# Altium PCB Board.PcbDoc (part 3 of 8)
Units mil, origin at the board's own origin, x right, y up, seen from the top; angles counter-clockwise.
Board outline 2740.16 x 1181.1 mil, 6 copper layers (Top Layer, Int1 (GND), Int2 (Sign), Int3 (Sign), Int4 (PWR), Bottom Layer), stack 60.567 mil thick; 167 components, 261 nets, 1353 pads, 681 vias.
Unrouted connection lines stored in the file: 23.
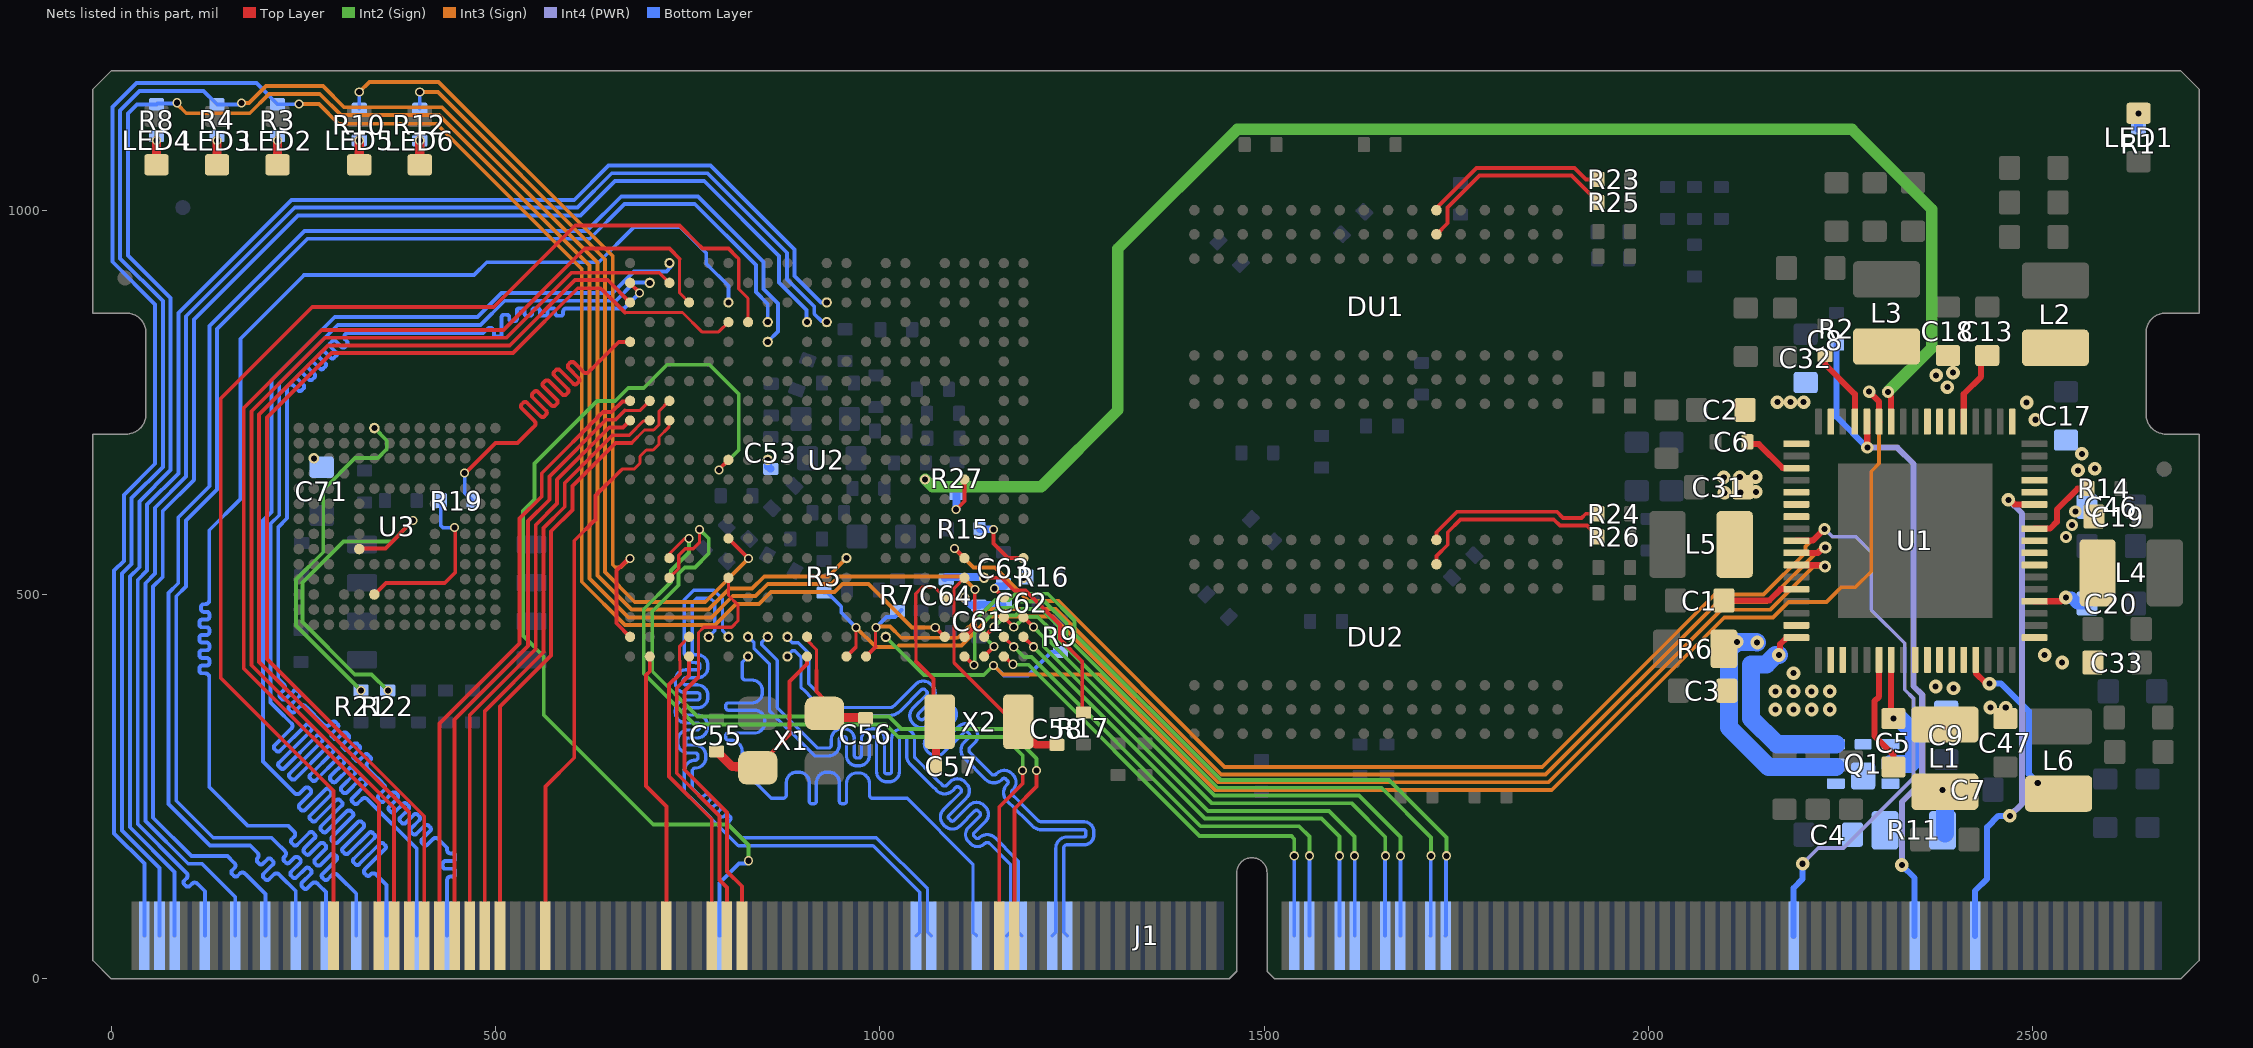
[diagram p7: the nets of this part, all layers, seen from the top]

## Via types
v1: diameter 11.81, hole 7.87, Top Layer to Bottom Layer, tented both sides, 510 vias
v2: diameter 17.72, hole 7.87, Top Layer to Bottom Layer, tented both sides, 112 vias
v3: diameter 15.75, hole 7.87, Top Layer to Bottom Layer, tented both sides, 43 vias
v4: diameter 31.5, hole 11.81, Top Layer to Bottom Layer, 16 vias

## Nets (pads, with @x,y where several pads share a name; then routed paths per layer and width w, separated by ;. In a path a pad name is that pad's centre, name@x,y a point inside that pad or via, vN(x,y) a via of type N, cw(c..) or ccw(c..) an arc to the next point about the centre after c; other vN are vias at no path point) (continued)
HDMI_TX0_P: J1.112 U2.G1 | length 943.1
  Bottom Layer w4.29: v1@828.74,418.72 v1(828.74,419.29) 821.09,411.64 821.09,400.27 821.09,392.97 ccw(c825.38,392.97) 825.38,388.68 833.75,388.68 cw(c833.75,375.14) 847.29,375.14 847.29,372.36 cw(c833.75,372.36) 833.75,358.81 802.89,358.81 ccw(c802.89,355.56) 799.64,355.56 799.64,352.78 ccw(c802.89,352.78) 802.89,349.52 836.87,349.52 cw(c836.87,335.98) 850.42,335.98 850.42,333.2 cw(c836.87,333.2) 836.87,319.65 802.89,319.65 ccw(c802.89,316.4) 799.64,316.4 799.64,313.62 ccw(c802.89,313.62) 802.89,310.36 806.51,310.36 cw(c806.51,295.78) 821.09,295.78 821.09,272.2 858.59,234.7 866.87,234.7 874.16,234.7 ccw(c874.16,238.99) 878.45,238.99 878.45,255.26 cw(c891.99,255.26) 891.99,268.8 894.78,268.8 cw(c894.78,255.26) 908.32,255.26 908.32,231.04 ccw(c911.57,231.04) 911.57,227.79 914.36,227.79 ccw(c914.36,231.04) 917.61,231.04 917.61,255.26 cw(c931.15,255.26) 931.15,268.8 933.94,268.8 cw(c933.94,255.26) 947.48,255.26 947.48,231.04 ccw(c950.73,231.04) 950.73,227.79 953.52,227.79 ccw(c953.52,231.04) 956.77,231.04 956.77,254.22 cw(c970.31,254.22) 970.31,267.76 973.1,267.76 cw(c973.1,254.22) 986.64,254.22 986.64,238.99 ccw(c990.93,238.99) 990.93,234.7 1031.9,234.7 1035.76,234.7 1121.29,149.17 1121.29,60.68 J1.112@1125.98,55.98
HDMI_TX1_N: J1.116 U2.G2 | length 942.5
  Bottom Layer w4.29: v1(828.74,444.88) 829.42,444.88 836.39,437.91 836.39,430.1 856.58,409.91 856.58,348.57 915.3,289.84 925.52,289.84 932.81,289.84 ccw(c932.81,304.42) 947.39,304.42 947.39,311.67 cw(c950.64,311.67) 950.64,314.92 953.43,314.92 cw(c953.43,311.67) 956.68,311.67 956.68,290.59 ccw(c970.22,290.59) 970.22,277.05 973.01,277.05 ccw(c973.01,290.59) 986.55,290.59 986.55,311.67 cw(c989.8,311.67) 989.8,314.92 992.59,314.92 cw(c992.59,311.67) 995.84,311.67 995.84,269.82 ccw(c1009.38,269.82) 1009.38,256.28 1012.17,256.28 ccw(c1012.17,269.82) 1025.71,269.82 1025.71,311.67 cw(c1028.96,311.67) 1028.96,314.92 1031.75,314.92 cw(c1031.75,311.67) 1035,311.67 1035,289.94 ccw(c1049.58,289.94) 1039.29,279.61 1068.39,250.5 1068.97,249.93 1072.62,246.28 1074.1,244.79 ccw(c1084.43,255.08) 1094.74,244.77 1098.89,248.92 cw(c1101.17,246.61) 1103.49,248.89 1105.41,246.96 ; 1105.43,246.95 cw(c1103.14,244.64) 1105.44,242.34 1082.95,219.84 ccw(c1092.5,210.24) 1082.93,200.67 1084.9,198.7 ccw(c1094.47,208.27) 1104.05,198.7 1123.64,218.3 cw(c1125.94,216) 1128.25,218.28 1130.18,216.35 cw(c1127.91,214.03) 1130.21,211.73 1115.66,197.17 ccw(c1125.23,187.6) 1115.66,178.02 1117.63,176.05 ccw(c1127.2,185.63) 1136.78,176.05 cw(c1139.81,173.02) 1142.85,176.05 1169.34,149.56 1170.05,148.85 1170.05,142.97 1170.05,60.68 J1.116@1165.35,55.98
HDMI_TX1_P: J1.118 U2.H2 | length 942.4
  Bottom Layer w4.29: v1(854.33,444.88) 853.65,444.88 846.68,437.91 846.68,434.36 866.87,414.17 866.87,352.83 919.56,300.13 925.52,300.13 932.81,300.13 ccw(c932.81,304.42) 937.1,304.42 937.1,311.67 cw(c950.64,311.67) 950.64,325.21 953.43,325.21 cw(c953.43,311.67) 966.97,311.67 966.97,290.59 ccw(c970.22,290.59) 970.22,287.34 973.01,287.34 ccw(c973.01,290.59) 976.26,290.59 976.26,311.67 cw(c989.8,311.67) 989.8,325.21 992.59,325.21 cw(c992.59,311.67) 1006.13,311.67 1006.13,269.82 ccw(c1009.38,269.82) 1009.38,266.57 1012.17,266.57 ccw(c1012.17,269.82) 1015.42,269.82 1015.42,311.67 cw(c1028.96,311.67) 1028.96,325.21 1031.75,325.21 cw(c1031.75,311.67) 1045.29,311.67 1045.29,289.94 ccw(c1049.58,289.94) 1046.55,286.9 1068.39,265.06 1076.24,257.21 1079.89,253.56 1081.4,252.05 ccw(c1084.43,255.08) 1087.47,252.05 1091.58,256.16 cw(c1101.17,246.61) 1108.96,257.69 1109.24,257.69 1114.23,252.7 1114.23,252.42 cw(c1103.14,244.64) 1112.72,235.06 1090.19,212.53 ccw(c1092.5,210.24) 1090.2,207.95 1092.17,205.97 ccw(c1094.47,208.27) 1096.77,205.97 1116.37,225.57 cw(c1125.94,216) 1133.73,227.08 1134.01,227.08 1139,222.09 1139,221.81 cw(c1127.91,214.03) 1137.49,204.45 1122.93,189.89 ccw(c1125.23,187.6) 1122.93,185.3 1124.9,183.33 ccw(c1127.2,185.63) 1129.5,183.33 cw(c1139.81,173.02) 1150.12,183.33 1176.62,156.83 1180.26,153.19 1180.34,153.11 1180.34,60.68 J1.118@1185.04,55.98
HDMI_TX2_N: J1.124 U2.J2 | length 942.4
  Bottom Layer w4.29: v1(879.92,444.88) 879.92,443.48 886.17,437.23 893.98,437.23 907.79,423.42 907.79,383.55 938.53,352.81 1007.49,352.81 1012.62,352.81 ccw(c1012.66,362) 1019.15,355.49 1047.03,383.38 cw(c1056.61,373.81) 1066.18,383.38 1068.16,381.41 cw(c1058.58,371.83) 1069.66,364.05 1069.66,363.77 1050.38,344.48 ccw(c1052.68,342.18) 1050.38,339.88 1052.35,337.91 ccw(c1054.65,340.21) 1056.95,337.91 1074.72,355.69 cw(c1084.3,346.11) 1093.88,355.69 1095.85,353.72 cw(c1086.27,344.14) 1097.35,336.36 1097.35,336.08 1069.3,308.02 ccw(c1071.6,305.73) 1069.3,303.43 1071.28,301.45 ccw(c1073.57,303.75) 1075.87,301.46 ; 1075.89,301.48 1102.42,328 cw(c1111.99,318.42) 1121.57,328 1123.54,326.03 cw(c1113.96,316.45) 1125.04,308.67 1125.04,308.39 1117.29,300.64 ccw(c1120.33,297.6) 1117.29,294.57 1145.49,266.38 ccw(c1148.52,269.41) 1151.55,266.38 1152.31,267.14 cw(c1161.89,257.56) 1171.46,267.14 1173.43,265.16 cw(c1163.86,255.59) 1174.94,247.81 1174.94,247.52 1172.68,245.26 ccw(c1175.71,242.22) 1172.67,239.19 1179.3,232.56 1183.49,228.38 1187.14,224.73 1201.86,210 1205.53,206.34 ccw(c1210.89,211.72) 1210.89,204.12 1265.94,204.12 cw(c1265.94,191.51) 1278.55,191.51 1278.55,186.86 cw(c1265.94,186.86) 1265.94,174.25 1243.69,174.25 ccw(c1243.69,169.96) 1239.4,169.96 1239.4,115.38 1239.4,60.68 J1.124@1244.09,55.98
HDMI_TX2_P: J1.122 U2.J1 | length 942.5
  Bottom Layer w4.29: v1(879.92,419.29) 879.92,420.69 886.17,426.94 889.72,426.94 897.5,419.16 897.5,379.29 903,373.79 911.08,365.71 cw(c908.05,362.67) 911.08,359.64 908.31,356.87 ccw(c910.61,354.57) 908.31,352.27 910.28,350.3 ccw(c912.58,352.6) 914.88,350.3 917.65,353.07 cw(c920.68,350.04) 923.72,353.07 932.47,344.32 934.27,342.52 997.2,342.52 1012.62,342.52 ccw(c1012.66,362) 1026.42,348.21 1054.31,376.1 cw(c1056.61,373.81) 1058.91,376.1 1060.88,374.13 cw(c1058.58,371.83) 1060.88,369.54 ; 1060.86,369.51 1043.1,351.76 ccw(c1052.68,342.18) 1043.1,332.61 1045.05,330.66 ccw(c1054.65,340.21) 1062.43,329.13 1062.72,329.13 1082,348.41 cw(c1084.3,346.11) 1086.6,348.41 1088.57,346.44 cw(c1086.27,344.14) 1088.57,341.85 1062.03,315.3 ccw(c1071.6,305.73) 1062.05,296.12 1063.97,294.21 ccw(c1073.57,303.75) 1081.35,292.67 1081.64,292.67 1109.69,320.72 cw(c1111.99,318.42) 1114.29,320.72 1116.26,318.75 cw(c1113.96,316.45) 1116.26,314.15 1110.02,307.91 ccw(c1120.33,297.6) 1110.04,287.28 1138.19,259.12 ccw(c1148.52,269.41) 1158.83,259.1 1159.59,259.86 cw(c1161.89,257.56) 1164.19,259.86 1166.16,257.89 cw(c1163.86,255.59) 1166.16,253.29 1165.4,252.53 ccw(c1175.71,242.22) 1165.41,231.91 1176.21,221.1 1179.86,217.45 1187.31,210 1198.23,199.08 ccw(c1210.89,211.72) 1210.89,193.83 1265.94,193.83 cw(c1265.94,191.51) 1268.26,191.51 1268.26,186.86 cw(c1265.94,186.86) 1265.94,184.54 1243.69,184.54 ccw(c1243.69,169.96) 1229.11,169.96 1229.11,115.38 1229.11,60.68 J1.122@1224.41,55.98
HDMI_TXC_N: J1.106 U2.E2 | length 944.2
  Bottom Layer w4.29: v1(777.56,444.88) 785.21,452.53 785.21,489.66 779.71,495.16 762.05,495.16 755.91,489.02 755.91,433.07 755.91,425.78 ccw(c760.2,425.78) 760.2,421.49 762.84,421.49 cw(c762.84,407.95) 776.38,407.95 776.38,405.16 cw(c762.84,405.16) 762.84,391.62 747.65,391.62 ccw(c747.65,388.37) 744.39,388.37 744.39,385.58 ccw(c747.65,385.58) 747.65,382.33 762.84,382.33 cw(c762.84,368.79) 776.38,368.79 776.38,366 cw(c762.84,366) 762.84,352.46 747.65,352.46 ccw(c747.65,349.21) 744.39,349.21 744.39,346.42 ccw(c747.65,346.42) 747.65,343.17 762.38,343.17 cw(c762.38,329.63) 775.92,329.63 775.92,326.84 cw(c762.38,326.84) 762.38,313.3 750.76,313.3 ccw(c750.76,310.05) 747.51,310.05 747.51,307.26 ccw(c750.76,307.26) 750.76,304.01 760.2,304.01 cw(c760.2,290.47) 773.74,290.47 773.74,287.68 cw(c760.2,287.68) 760.2,274.14 ccw(c760.2,269.85) 755.91,269.85 755.91,248.03 764.13,239.8 765.65,238.29 ccw(c768.69,241.32) 771.72,238.29 772.69,239.25 cw(c774.99,236.95) 777.29,239.25 779.26,237.28 cw(c776.96,234.98) 779.26,232.69 777.55,230.98 ccw(c779.85,228.68) 777.55,226.38 779.52,224.41 ccw(c781.82,226.71) 784.12,224.41 785.83,226.12 cw(c788.12,223.82) 790.42,226.12 792.39,224.15 cw(c790.1,221.85) 792.39,219.55 790.69,217.84 ccw(c792.99,215.54) 790.69,213.25 792.66,211.27 ccw(c794.96,213.57) 797.26,211.27 798.96,212.98 cw(c801.26,210.68) 803.56,212.98 805.53,211.01 cw(c803.23,208.71) 805.53,206.41 804.56,205.44 ccw(c807.6,202.41) 804.56,199.37 811.42,192.51 820.42,183.52 995.55,183.52 1062.23,116.83 1062.23,60.68 J1.106@1066.93,55.98
HDMI_TXC_P: J1.104 U2.F2 | length 942.5
  Bottom Layer w4.29: v1(803.15,444.88) 795.5,452.53 795.5,493.92 783.97,505.45 757.78,505.45 745.62,493.28 745.62,433.07 745.62,425.78 ccw(c760.2,425.78) 760.2,411.2 762.84,411.2 cw(c762.84,407.95) 766.09,407.95 766.09,405.16 cw(c762.84,405.16) 762.84,401.91 747.65,401.91 ccw(c747.65,388.37) 734.1,388.37 734.1,385.58 ccw(c747.65,385.58) 747.65,372.04 762.84,372.04 cw(c762.84,368.79) 766.09,368.79 766.09,366 cw(c762.84,366) 762.84,362.75 747.65,362.75 ccw(c747.65,349.21) 734.1,349.21 734.1,346.42 ccw(c747.65,346.42) 747.65,332.88 762.38,332.88 cw(c762.38,329.63) 765.63,329.63 765.63,326.84 cw(c762.38,326.84) 762.38,323.59 750.76,323.59 ccw(c750.76,310.05) 737.22,310.05 737.22,307.26 ccw(c750.76,307.26) 750.76,293.72 760.2,293.72 cw(c760.2,290.47) 763.45,290.47 763.45,287.68 cw(c760.2,287.68) 760.2,284.43 ccw(c760.2,269.85) 745.62,269.85 745.62,248.03 745.62,243.77 816.16,173.23 991.29,173.23 1051.94,112.57 1051.94,60.68 J1.104@1047.24,55.98
I2C0_SCL: J1.78 U2.F11 | length 1282.7
  Top Layer w5: v1(790.65,662.12) 790.65,662.41 803.15,674.91 U2.F11@803.15,675.2
  Int2 (Sign) w5: v1(790.65,662.12) 816.56,688.03 816.56,760.7 778.47,798.78 723.09,798.78 692.91,768.6 672.82,768.6 655.95,751.73 632.18,751.73 550.87,670.42 550.87,623.75 535.67,608.56 535.67,446.56 562.91,419.32 562.91,343.22 705.35,200.79 802.53,200.79 829.47,173.84 v1(829.47,153.54)
  Bottom Layer w5.1: J1.78@791.34,55.98 791.34,124.52 817.01,150.19 826.12,150.19 v1(829.47,153.54)
I2C0_SDA: J1.55 U2.C13 | length 751.8
  Top Layer w4: 663.24,661.63 664.61,663 680.25,663 688,670.76 688,679.65 696.34,687.99 705.23,687.99 712.98,695.74 712.98,704.77 712.81,704.94 725.6,717.73 U2.C13@725.6,725.6
  Top Layer w5: J1.55@564.96,55.98 564.96,250 602.5,287.54 602.5,569.84 630.24,597.57 630.24,628.63 663.24,661.63 ; U2.C13@725.6,725.6 U2.C13@726.38,726.38
I2S0_CLK: J1.43 U2.B14 | length 819.9
  Top Layer w4: 668.29,739.16 687.98,739.16 U2.B14@700.79,751.97
  Top Layer w5: J1.43@446.85,55.98 446.85,337.43 542.5,433.09 542.5,595.56 570.24,623.3 570.24,653.48 643.98,727.22 656.36,727.22 668.29,739.16
I2S0_DIN: J1.41 U2.A14 | length 810.8
  Top Layer w5: J1.41@427.17,55.98 427.17,331.89 531.5,436.22 531.5,598.7 560.24,627.44 560.24,657.62 639.84,737.22 651.4,737.22 665.37,751.19 674.42,751.19 U2.A14@675.2,751.97
I2S0_DOUT: J1.45 U2.A13 | length 767.3
  Top Layer w5: J1.45@466.54,55.98 466.54,342.98 552.5,428.95 552.5,590.55 580.24,618.28 580.24,649.34 648.12,717.22 666.04,717.22 U2.A13@675.2,726.38
I2S0_SYNC: J1.47 U2.B13 | length 775.4
  Top Layer w4: 674.11,707.22 692.49,725.6 U2.B13@700.01,725.6
  Top Layer w5: J1.47@486.22,55.98 486.22,348.52 562.5,424.8 562.5,586.41 590.24,614.14 590.24,645.2 652.26,707.22 674.11,707.22
IPSOUT: C9.2 C17.1 C18.1 C19.1 C31.1 C32.1 C33.1 C46.1 C47.1 Q1.4 Q1.7 U1.1 U1.9 U1.13 U1.18 U1.23 U1.33 U1.39 U1.53 U1.54 U1.62 U1.63 U1.64
  other v2: 2165.35,350.39 2188.98,350.39 2212.6,350.39 2236.22,350.39 2444.99,352.99 2465.09,352.8 2165.35,374.02 2188.98,374.02 2212.6,374.02 2236.22,374.02 2397.12,377.99 2373.76,380.27 2188.98,397.64 2538.51,411.5 2515.75,421.26 2099.08,632.26 2119.71,632.84 2139.86,633.39 2098.18,652.26 2118.98,652.62 2139.67,652.8 2559.06,661.42 2580.98,663.72 2564.04,683 2503.53,727.3 2167.82,750.22 2184.94,750.22 2202.05,750.22 2492.14,749.7 2389.1,769.65 2374.52,785.03 2396.38,788.67
  other v3: 2543.31,574.8 2551.18,590.55 2555.54,607.97
JTAG_CK: J1.35 U2.C20 | length 1383.1
  Top Layer w4: 665.37,918.55 713.34,918.55 U2.C20@726.38,905.51
  Top Layer w5: J1.35@368.11,55.98 368.11,222.44 182.6,407.95 182.6,738.44 278.23,834.07 514.45,834.07 581.15,900.77 598.93,918.55 665.37,918.55
JTAG_DI: J1.37 U2.A19 | length 1326.1
  Top Layer w5: J1.37@387.8,55.98 387.8,216.9 192.6,412.09 192.6,734.3 282.37,824.07 518.59,824.07 603.44,908.92 646.2,908.92 U2.A19@675.2,879.92
JTAG_DO: J1.39 U2.F18 | length 1458.1
  Top Layer w4: 668.38,866.91 743.32,866.91 768.58,841.66 790.48,841.66 U2.F18@803.15,854.33
  Top Layer w5: J1.39@407.48,55.98 407.48,211.36 202.6,416.24 202.6,730.16 286.51,814.07 522.73,814.07 607.1,898.44 636.86,898.44 668.38,866.91
JTAG_MS: J1.33 U2.D19 | length 1479.8
  Top Layer w4: 739.78,936.66 739.78,892.11 U2.D19@751.97,879.92
  Top Layer w5: J1.33@348.43,55.98 348.43,227.98 172.6,403.81 172.6,742.58 274.08,844.07 510.3,844.07 616.24,950 726.44,950 739.78,936.66
LED_DISK: J1.4 R4.2 U2.M6 | length 2660
  Int3 (Sign) w5.1: v1(169.71,1139.58) 179.58,1139.58 201.42,1161.42 275.59,1161.42 303.15,1133.86 430.67,1133.86 632.57,931.96 632.57,524.91 677.17,480.31 777.09,480.31 804.65,507.87 833.99,507.87 849.74,523.62 933.07,523.62 v1(956.69,547.24)
  Bottom Layer w5.1: J1.4@62.99,55.98 62.99,144.33 14.42,192.9 14.42,527.34 26.7,539.61 26.7,625.31 67.26,665.88 67.26,881.56 11.81,937.01 11.81,1129.92 37.14,1155.25 120.34,1155.25 R4.2@137.79,1137.8 138.24,1137.35 165.67,1137.35 167.89,1139.58 v1(169.71,1139.58)
LED_ERR: J1.6 R8.2 U2.V2 | length 2880.9
  Top Layer w4: 1123.72,458.37 1123.72,465.33 1123.63,465.42 1123.63,506.45 v1@1123.72,506.54
  Top Layer w5.1: U2.V2@1110.24,444.88 1123.72,458.37 ; v1@1123.72,506.54 v1(1123.9,506.72)
  Int3 (Sign) w5.1: v1(85.92,1139.75) 85.92,1137.94 97.73,1126.12 180.4,1126.12 205.6,1151.32 271.41,1151.32 298.97,1123.76 426.49,1123.76 622.47,927.78 622.47,520.73 672.98,470.21 781.27,470.21 808.83,497.77 838.58,497.77 854.33,513.52 937.25,513.52 947.35,523.62 1106.99,523.62 v1(1123.9,506.72)
  Bottom Layer w5.1: J1.6@82.68,55.98 82.68,138.93 24.52,197.08 24.52,523.15 36.8,535.43 36.8,621.13 77.36,661.69 77.36,885.74 21.91,941.19 21.91,1125.74 33.86,1137.69 59.06,1137.69 60.14,1138.77 84.94,1138.77 v1(85.92,1139.75)
LED_ID: J1.2 R3.2 U2.U2 | length 2816.5
  Top Layer w5.1: v1(1072.26,457.14) 1072.32,457.14 1084.58,444.88 U2.U2@1084.65,444.88
  Int3 (Sign) w5.1: v1(244.4,1137.86) 270.58,1137.86 295.97,1112.47 423.49,1112.47 612.37,923.59 612.37,516.55 668.8,460.11 785.46,460.11 813.02,487.67 842.77,487.67 858.51,503.42 941.44,503.42 951.54,513.52 985.51,513.52 1041.89,457.14 v1(1072.26,457.14)
  Bottom Layer w5.1: J1.2@43.31,55.98 43.31,149.73 3.94,189.1 3.94,531.13 16.6,543.79 16.6,629.49 57.16,670.06 57.16,877.37 1.71,932.82 1.71,1134.1 32.96,1165.35 188.98,1165.35 R3.2@216.53,1137.8 ; R3.2@216.53,1137.8 v1@244.37,1137.83
LED_LINK: R10.1 U2.A2 | length 998.5
  Top Layer w5: v1(674.89,546.89) 673.05,546.89 657.48,531.32 657.48,462.6 U2.A2@675.2,444.88
  Int3 (Sign) w5: v1(322.83,1153.54) 336.24,1166.95 425.93,1166.95 652.62,940.27 652.62,538.69 655.87,535.43 663.43,535.43 v1(674.89,546.89)
  Bottom Layer w5: R10.1@322.83,1131.89 v1(322.83,1153.54)
LED_SPD: R12.1 U2.F7 | length 1022.9
  Top Layer w5: U2.F7@803.2,572.83 v1@829.27,546.76
  Int3 (Sign) w5: v1(401.57,1153.54) 425.2,1153.54 642.62,936.12 642.62,529.08 681.33,490.36 772.93,490.36 v1(829.32,546.76)
  Bottom Layer w5: R12.1@401.57,1131.89 v1(401.57,1153.54)
LINEIN_L: J1.166 U2.V1 | length 973
  Top Layer w5: U2.V1@1110.24,419.29 1110.95,419.29 1122.13,408.12 v1(1122.84,408.12)
  Int2 (Sign) w5: v1(1122.84,408.12) 1123.74,409.01 1123.74,465.87 1150.52,492.66 1168.3,492.66 1176.56,500.91 1218.68,500.91 1253.36,466.23 1253.36,448.95 1443.87,258.44 1662.66,258.44 1737.36,183.74 v1(1737.36,160)
  Bottom Layer w5: J1.166@1736.22,55.98 1736.79,56.56 v1@1736.79,160
LINEIN_R: J1.164 U2.W1 | length 913.9
  Top Layer w5: U2.W1@1135.83,419.29 v1(1148.79,432.24)
  Int2 (Sign) w5: v1(1148.79,432.24) 1135.39,445.65 1135.39,463.39 1154.66,482.66 1172.45,482.66 1180.7,490.91 1214.54,490.91 1243.36,462.08 1243.36,444.81 1439.73,248.44 1652.97,248.44 1717.47,183.95 v1(1717.47,160)
  Bottom Layer w5: J1.164@1716.54,55.98 1717,56.45 v1@1717,160
LINEOUT_L: J1.154 U2.AA3 | length 685.2
  Top Layer w5: U2.AA3@1187.01,470.47 v1(1199.96,457.5)
  Int2 (Sign) w5: v1(1199.96,457.5) 1213.36,444.1 1213.36,432.3 1427.22,218.44 1584.55,218.44 1617.9,185.09 v1(1617.9,160)
  Bottom Layer w5: v1@1618.01,160 1618.01,56.09 J1.154@1618.11,55.98
LINEOUT_R: J1.158 U2.Y3 | length 764.2
  Top Layer w5: U2.Y3@1161.42,470.47 v1(1174.37,457.5)
  Int2 (Sign) w5: v1(1174.37,457.5) 1175.58,457.5 1188.98,470.91 1205.51,470.91 1223.36,453.06 1223.36,436.53 1431.45,228.44 1613.92,228.44 1657.79,184.57 v1(1657.79,160)
  Bottom Layer w5: J1.158@1657.48,55.98 1657.64,56.14 v1@1657.64,160
MICIN1_N: J1.146 U2.Y1 | length 602.2
  Top Layer w5: U2.Y1@1161.42,419.28 1162.34,419.28 1172.41,409.22 v1(1173.32,409.22)
  Int2 (Sign) w5: v1(1173.32,409.22) 1174.03,408.51 1193.39,408.51 1416.15,185.75 1535.61,185.75 1539.37,181.98 v1(1539.37,160)
  Bottom Layer w5: J1.146@1539.37,55.98 v1(1539.37,160)
MICIN1_P: J1.160 U2.W2 | length 818.2
  Top Layer w5: U2.W2@1135.83,444.88 v1(1148.79,457.83)
  Int2 (Sign) w5: v1(1148.79,457.83) 1163.62,472.66 1176.59,472.66 1184.84,480.91 1210.4,480.91 1233.36,457.94 1233.36,440.67 1435.59,238.44 1623.6,238.44 1677.68,184.36 v1(1677.68,160)
  Bottom Layer w5: J1.160@1677.17,55.98 1677.43,56.24 v1@1677.43,160
MICIN2_N: J1.152 U2.AA2 | length 648.1
  Top Layer w5: U2.AA2@1187.01,444.88 v1(1199.96,431.91)
  Int2 (Sign) w5: v1(1199.96,431.91) 1199.96,431.57 1423.08,208.44 1574.86,208.44 1598.01,185.29 v1(1598.01,160)
  Bottom Layer w5: v1@1598.22,160 1598.22,56.19 J1.152@1598.43,55.98
MICIN2_P: J1.148 U2.Y2 | length 634.3
  Top Layer w5: U2.Y2@1161.42,444.88 v1(1174.37,431.91)
  Int2 (Sign) w5: v1(1174.37,431.91) 1187.77,418.51 1197.54,418.51 1417.6,198.44 1545.65,198.44 1559.06,185.04 v1(1559.06,160)
  Bottom Layer w5: J1.148@1559.06,55.98 v1(1559.06,160)
NetC1_1: C1.1 U1.47 | length 100.2
  Top Layer w7.87: C1.1@2098.43,492.13 2157.48,492.13 2172.24,506.89 U1.47@2192.52,506.89
NetC2_1: C2.1 U1.35
NetC3_1: C3.1 C4.2 C5.2 Q1.1 Q1.2 Q1.5 Q1.6 Q1.8 R6.1 R11.2 U1.50 U1.58 | length 482.3
  Top Layer w7.87: U1.58@2315.94,414.96 2315.94,341.54 v2(2318.9,338.58)
  Bottom Layer w23.62: v2(2141.54,437.55) 2140.85,438.24 v2(2115.15,438.24) 2105.15,428.23 2105.15,326.81 2156.37,275.59 Q1.2@2244.09,275.59 ; Q1.5@2314.96,279.53 2340.55,279.53 2345.47,284.45 2345.47,319.88 2326.77,338.58 v2(2318.9,338.58)
NetC5_1: C5.1 C7.2 L1.1 R11.1 U1.57 | length 206.8
  Top Layer w7.87: U1.57@2300.2,414.96 2300.2,367.13 2294.21,361.14 2294.21,316.02 2318.9,291.34 C5.1@2318.9,275.59
  Bottom Layer w7.87: v2(2382.67,245.74) C7.2@2385.17,243.24 ; R11.1@2382.76,193.16 R11.1@2383.11,193.51
  Bottom Layer w23.62: R11.1@2386.18,189.33 C7.2@2386.18,240.02
NetC6_1: C6.1 U1.37 | length 75.5
  Top Layer w7.87: C6.1@2129.92,695.63 2143.74,695.63 2174.61,664.76 2192.13,664.76 U1.37@2192.52,664.37
NetC8_1: C8.1 U1.31 | length 101.2
  Top Layer w7.87: C8.1@2230,810 2230,799.16 2268.7,760.46 U1.31@2268.7,724.8
NetC13_2: C13.2 U1.22 | length 95.6
  Top Layer w7.87: U1.22@2410.43,724.8 2410.43,760.83 2433.07,783.46 C13.2@2433.07,811.02
NetC20_1: C20.1 U1.4 | length 73.8
  Top Layer w7.87: U1.4@2502.36,491.14 2536.64,491.14 2541.56,496.06 v2(2543.31,496.06)